# Altium PCB PCB.PcbDoc
Units mm, origin at the board's own origin, x right, y up, seen from the top; angles counter-clockwise.
Board outline 62.3 x 80.4 mm, 2 copper layers (Top Layer, Bottom Layer); 65 components, 46 nets, 221 pads, 97 vias.
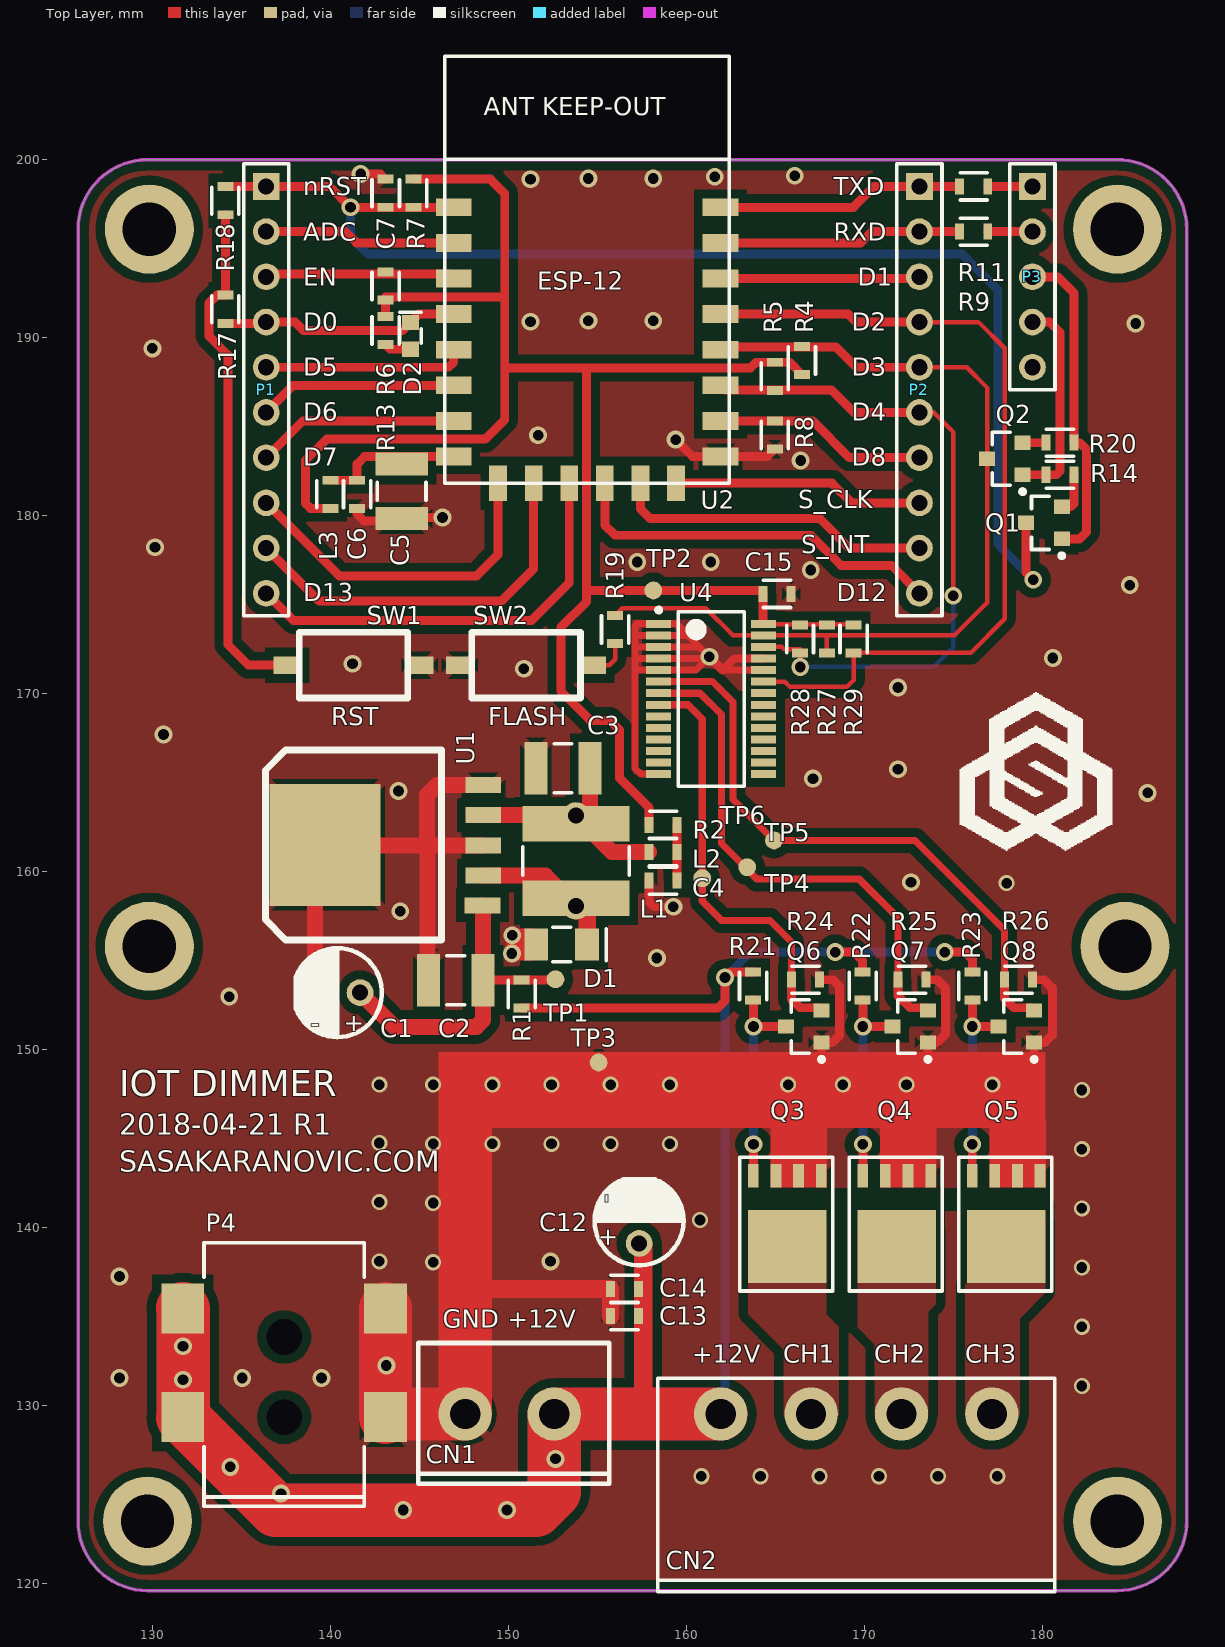
[diagram p0: Top Layer view]
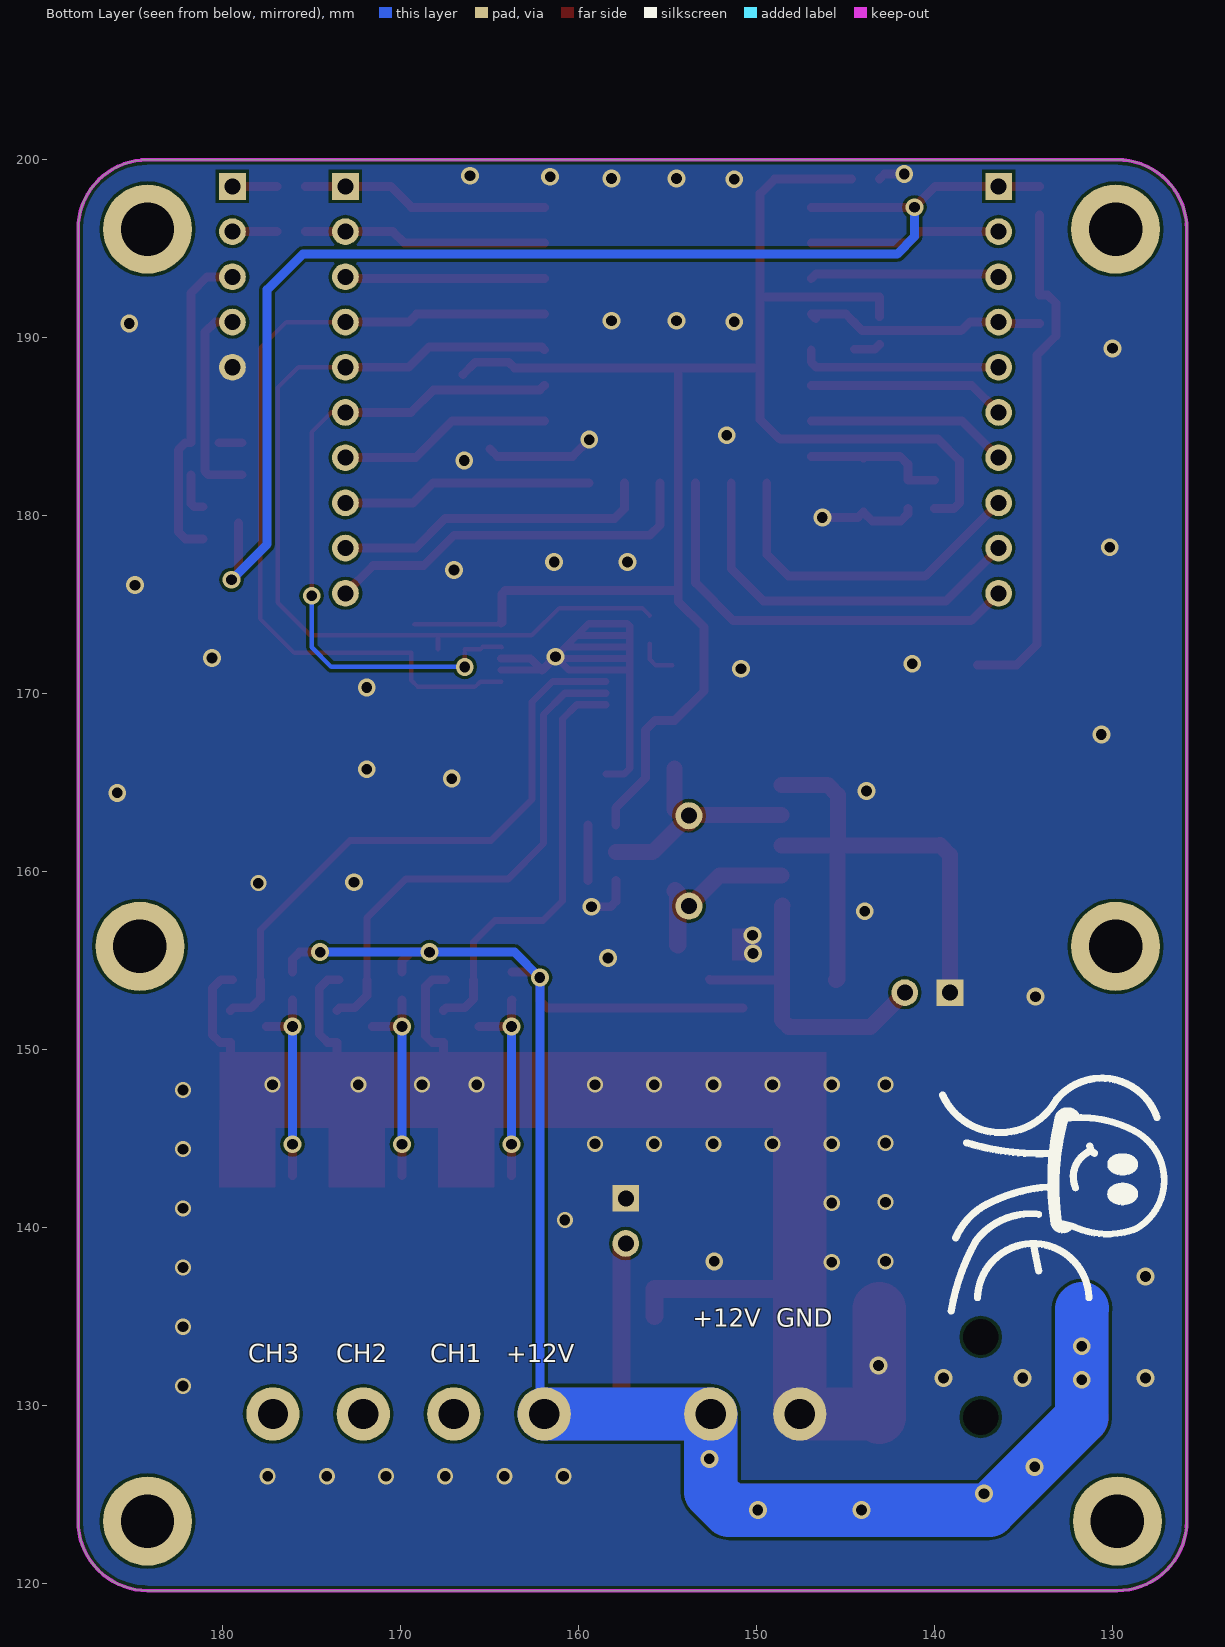
[diagram p1: Bottom Layer view, seen from below]
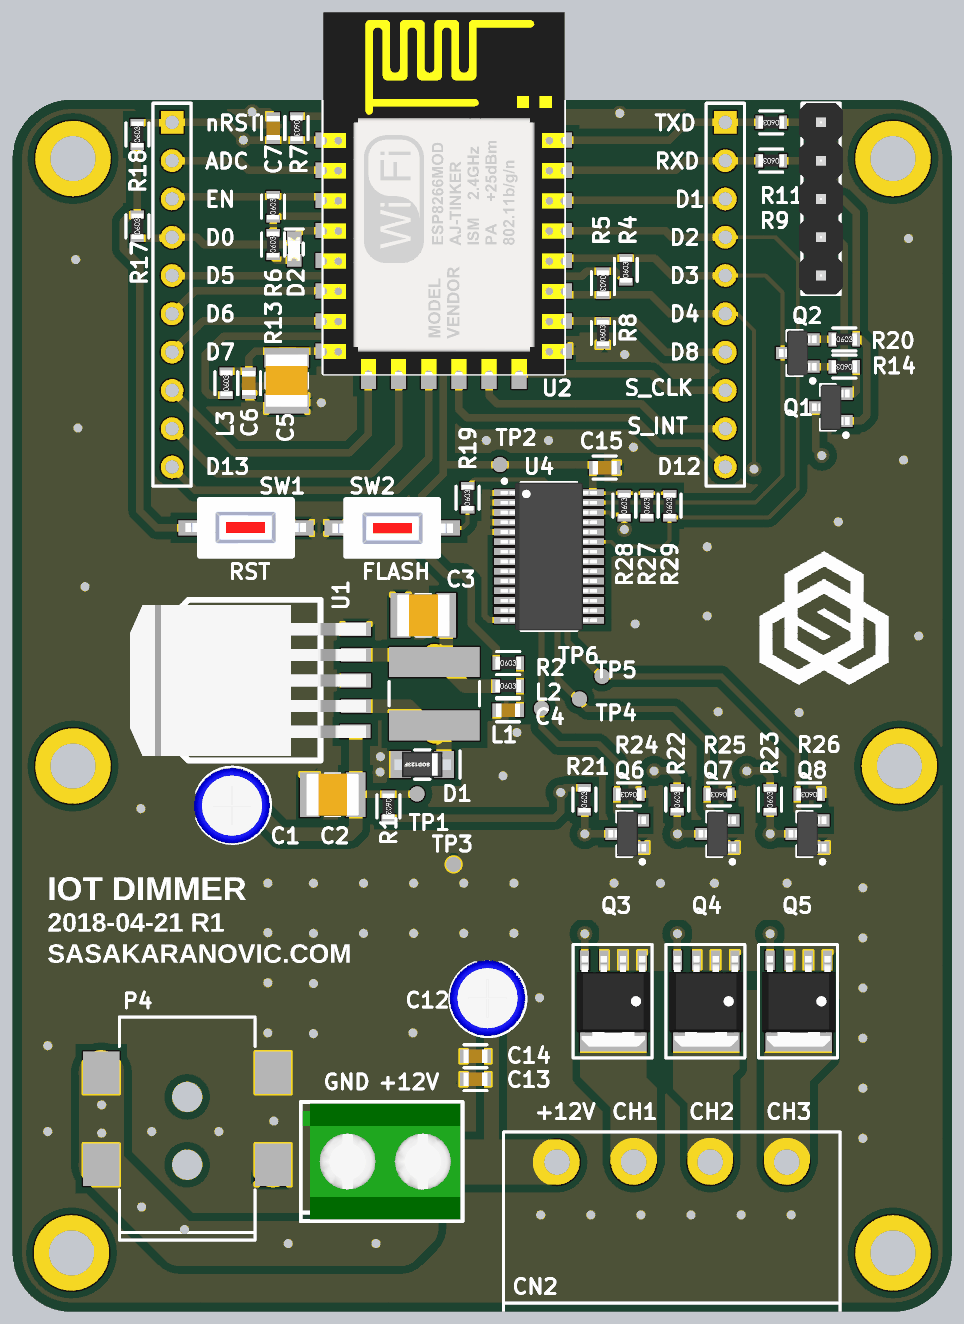
[diagram p2: 3D render of the assembled board from above, using the file's embedded part models]

## Layer stack, top to bottom
Top Solder: solder mask 0.0102, Solder Resist, Dk 3.5
Top Layer: signal copper 0.0356
Dielectric 1: dielectric 0.32, FR-4, Dk 4.8
Bottom Layer: signal copper 0.0356
Bottom Solder: solder mask 0.0102, Solder Resist, Dk 3.5

## Board outline
125.825,123.501 125.825,196.1 cw(c129.726,196.1) 129.726,200.001 129.726,200 184.224,200 cw(c184.224,196.099) 188.125,196.099 188.125,123.501 cw(c184.224,123.501) 184.224,119.6 129.726,119.6 cw(c129.726,123.501)

## Design rules (kind name [scope] priority, off if disabled: settings)
AssemblyTestPointUsage [All] p1 off:
AssemblyTestpoint [All] p1 off: testpointundercomponent=TRUE minsize=1.016 maxsize=2.54 preferedsize=1.524 minholesize=0 maxholesize=1.016 preferedholesize=0.813 testpointgrid=0.025 usegrid=TRUE gridtolerance=0 allowsidetop=TRUE allowsidebottom=TRUE
Clearance Clearance_1 [InNamedPolygon('TOP_GND')] p1: gap=0.508 ignorepadtopadclearanceinfootprint=FALSE
Clearance [All] p2: gap=0.178 ignorepadtopadclearanceinfootprint=FALSE
ComponentClearance [All] p1 off: gap=0.254 collisioncheckmode=3 verticalgap=0.254 showdistances=FALSE
FabricationTestPointUsage [All] p1 off: valid=0 allowmultiple=FALSE
FabricationTestpoint [All] p1 off: side=3 testpointundercomponent=TRUE minsize=1.016 maxsize=2.54 preferedsize=1.524 minholesize=0 maxholesize=1.016 preferedholesize=0.813 testpointgrid=0.025 allowsidetop=TRUE allowsidebottom=TRUE usegrid=TRUE gridtolerance=0
FanoutControl Fanout_BGA [IsBGA] p1 off: bgadir=Out bgaviamode=Centered fanoutstyle=Auto fanoutdirection=Alternating viagrid=0.025 // Fanout_BGA (Default Rule)
FanoutControl Fanout_LCC [IsLCC] p2 off: bgadir=Out bgaviamode=Centered fanoutstyle=Auto fanoutdirection=Alternating viagrid=0.025 // Fanout_LCC (Default Rule)
FanoutControl Fanout_SOIC [IsSOIC] p3 off: bgadir=Out bgaviamode=Centered fanoutstyle=Auto fanoutdirection=Alternating viagrid=0.025 // Fanout_SOIC (Default Rule)
FanoutControl Fanout_Small [(CompPinCount < 5)] p4 off: bgadir=Out bgaviamode=Centered fanoutstyle=Auto fanoutdirection=OutThenIn viagrid=0.025 // Fanout_Small (Default Rule)
FanoutControl Fanout_Default [All] p5 off: bgadir=Out bgaviamode=Centered fanoutstyle=Auto fanoutdirection=Alternating viagrid=0.025 // Fanout_Default (Default Rule)
Height [All] p1 off: minheight=0 maxheight=25.4 prefheight=12.7
HoleSize [All] p1: absolutevalues=TRUE maxlimit=6.3 minlimit=0.3 maxpercent=80.000 minpercent=20.000
MinimumSolderMaskSliver [All] p1 off: minsoldermaskwidth=0.254
NetAntennae [All] p1 off: netantennaetolerance=0
PasteMaskExpansion [All] p1 off: expansion=0
PlaneConnect [All] p1: planeconnectstyle=Direct reliefexpansion=0.508 reliefentries=4 reliefconductorwidth=0.254 reliefairgap=0.254
PolygonConnect PolygonConnect_2 [All vs IsNamedPolygon('BOT_GND')] p1: connectstyle=Direct reliefconductorwidth=0.254 reliefentries=4 polygonreliefangle="90 Angle" airgapwidth=0.254
PolygonConnect PolygonConnect_1 [All vs IsNamedPolygon('LED_CH1') Or  IsNamedPolygon('LED_CH3') Or  IsNamedPolygon('DIM_GND') Or  IsNamedPolygon('LED_CH2')] p2: thpad.connectstyle=Direct thpad.reliefconductorwidth=0.254 thpad.reliefentries=4 thpad.polygonreliefangle="90 Angle" thpad.airgapwidth=0.254 smdpad.connectstyle=Direct smdpad.reliefconductorwidth=0.254 smdpad.reliefentries=4 smdpad.polygonreliefangle="90 Angle" smdpad.airgapwidth=0.254 via.connectstyle=Relief via.reliefconductorwidth=0.254 via.reliefentries=4 via.polygonreliefangle="90 Angle" via.airgapwidth=0.254
PolygonConnect [All] p3: thpad.connectstyle=Relief thpad.reliefconductorwidth=0.508 thpad.reliefentries=4 thpad.polygonreliefangle="45 Angle" thpad.airgapwidth=0.254 smdpad.connectstyle=Relief smdpad.reliefconductorwidth=0.508 smdpad.reliefentries=4 smdpad.polygonreliefangle="45 Angle" smdpad.airgapwidth=0.254 via.connectstyle=Direct via.reliefconductorwidth=0.508 via.reliefentries=4 via.polygonreliefangle="45 Angle" via.airgapwidth=0.254
RoutingVias [All] p1: holewidth=0.4 width=0.6 viastyle="Through Hole" minholewidth=0.4 minwidth=0.6 maxholewidth=10 maxwidth=10
SilkToSilkClearance [All] p1 off: silktosilkclearance=0.254
SilkToSolderMaskClearance [IsPad] p1 off: minsilkscreentomaskgap=0.254 clearancetoexposedcopper=TRUE
SolderMaskExpansion [All] p1 off: expansion=0.102
Width [All] p1: maxlimit=50 minlimit=0.2 preferedwidth=0.508 minimp=50.000000 maximp=50.000000 favimp=50.000000
12 further rules are at their usual default settings.

## Classes and differential pairs
polygon class DIRECT_CONN: DIM_GND

## Components (designator, comment, footprint, x,y, rotation, side; value= is the part's Value field where it differs from the comment)
C1 "25V" "Electrolytic Cap 2.54mm" 140.4,153.2 r180 top value=100uF
C2 "Cap" CAPC_1411_3528_X08N 153.15,148 r0 top value=47uF
C3 "Cap" CAPC_1411_3528_X08N 159.175,159.9 r0 top value=47uF
C4 "Cap" "0603 - CAP" 158.69,159.5 r0 top value=100n
C5 "Cap" CAPC_1411_3528_X08N 149.9,187.475 r90 top value=100uF
C6 "Cap" "0603 - CAP" 141.5,181.2 r90 top value=100n
C7 "Cap" "0603 - CAP" 143.1,198.12 r270 top value=100n
C12 "25V" "Electrolytic Cap 2.54mm" 157.35,140.375 r90 top value=220uF
C13 "50V" "0603 - CAP" 156.525,135.025 r0 top value=100n
C14 "50V" "0603 - CAP" 156.525,136.55 r0 top value=100n
C15 "Cap" "0603 - CAP" 165.1,175.6 r180 top value=100n
CN1 "Terminal 2 - 5mm" "Terminal 2" 152.575,129.525 r180 top
CN2 "Terminal 4" "Terminal 4_90DEG" 169.555,129.525 r0 top
D1 "SS13" SOD123F 153,155.9 r0 top
D2 "LED" "0603 Diode" 144.5,190.1 r90 top
L1 "Inductor" IND_TH_SMD 153.8,160.6 r90 top value=68u
L2 "Inductor" 0603 158.69,161.1 r0 top value=220R@100MHz
L3 "Inductor" 0603 140,181.2 r90 top value=1K@100MHz
P1 "Header 10" HDR1X10 136.398,198.501 r270 top
P2 "Header 10" HDR1X10 173.101,198.501 r270 top
P3 "Header 5" "Header 5x1" 179.451,198.501 r270 top
P4 "PJ-002BH-SMT-TR" PJ-002BH-SMT-TR 137.4,124.35 r90 top
Q1 "DMN62D0U-13" SOT90P240X100-3N 180.1,179.6 r180 top
Q2 "DMN62D0U-13" SOT90P240X100-3N 177.9,183.2 r180 top
Q3 "PSMN9R1-30YL" LFPAK-8 165.624,140.855 r270 top
Q4 "PSMN9R1-30YL" LFPAK-8 171.774,140.855 r270 top
Q5 "PSMN9R1-30YL" LFPAK-8 177.924,140.855 r270 top
Q6 "DMN62D0U-13" SOT90P240X100-3N 166.6,151.3 r180 top
Q7 "DMN62D0U-13" SOT90P240X100-3N 172.575,151.3 r180 top
Q8 "DMN62D0U-13" SOT90P240X100-3N 178.55,151.3 r180 top
R1 "Res" 0603 150.75,153.125 r270 top value=0R
R2 "Res" 0603 158.7,162.625 r0 top value=0R
R4 "Res" 0603 166.497,188.722 r90 top value=12K
R5 "Res" 0603 164.973,187.833 r270 top value=12K
R6 "Res" 0603 143.1,192.913 r90 top value=12K
R7 "Res" 0603 144.661,198.12 r270 top value=12K
R8 "Res" 0603 164.973,184.531 r90 top value=12K
R9 "Res" 0603 176.149,195.961 r180 top value=470R
R11 "Res" 0603 176.149,198.501 r180 top value=470R
R13 "Res" 0603 143.1,190.4 r90 top value=470R
R14 "Res" 0603 181,182.3 r180 top value=12K
R17 "Res" 0603 134.1,191.6 r90 top value=0R
R18 "Res" 0603 134.1,197.7 r90 top value=470R
R19 "Res" 0603 156,173.6 r90 top value=470R
R20 "Res" 0603 181,184.1 r0 top value=12K
R21 "Res" 0603 163.75,153.575 r90 top value=12K
R22 "Res" 0603 169.912,153.575 r90 top value=12K
R23 "Res" 0603 176.075,153.575 r90 top value=12K
R24 "Res" 0603 166.7,153.925 r180 top value=100K
R25 "Res" 0603 172.682,153.925 r180 top value=100K
R26 "Res" 0603 178.665,153.925 r180 top value=100K
R27 "Res" 0603 167.9,173.075 r90 top value=4.7K
R28 "Res" 0603 166.4,173.075 r90 top value=4.7K
R29 "Res" 0603 169.4,173.075 r90 top value=4.7K
SW1 "Switch" "SMD Switch 2pin" 141.3,171.6 r180 top
SW2 "Switch" "SMD Switch 2pin" 151,171.6 r0 top
TP1 "Test Point 0.6mm" TP_SMD_1mm 152.65,153.95 r90 top
TP2 "Test Point 0.6mm" TP_SMD_1mm 158.15,175.8 r90 top
TP3 "Test Point 0.6mm" TP_SMD_1mm 155.075,149.275 r90 top
TP4 "Test Point 0.6mm" TP_SMD_1mm 160.9,159.625 r90 top
TP5 "Test Point 0.6mm" TP_SMD_1mm 163.425,160.25 r90 top
TP6 "Test Point 0.6mm" TP_SMD_1mm 164.925,161.75 r90 top
U1 "LM2576-3.3" TO263-5 141.3,161.5 r90 top
U2 "ESP12" ESP-12 154.425,193.826 r0 top
U4 "PCA9685PW" TSOP65P640X100-28N 161.4,169.7 r0 top

## Footprints (in the part's own frame and the unit in brackets; to place one, negate y for a bottom-side part, rotate by r counter-clockwise, add the part's x,y. Pads: shape width x height; smd on the part's side, far side on the other; paste and mask are expansions set on the pad)
0603 [mm]
  rect 0.5x0.9 smd: 1(-0.79,0) 2(0.79,0)
  silkscreen extent -0.76,-0.76 0.76,0.76, body extent -0.85,-0.4 0.85,0.4, height 0.56
"0603 - CAP" [mm]
  rect 0.5x0.9 smd: 1(-0.79,0) 2(0.79,0)
  silkscreen extent -0.76,-0.76 0.76,0.76, body extent -0.8,-0.44 0.8,0.46, height 0.8
"0603 Diode" [mm] "0603 Package for Diode"
  rect 0.85x0.95 smd: A(-0.75,0) K(0.75,0)
  silkscreen extent -0.4,-0.6 1.32,0.6, body extent -0.8,-0.4 0.8,0.4, height 0.7
CAPC_1411_3528_X08N [mm] "Chip Capacitor, 2-Leads, Body 3.50x2.80mm, IPC Medium Density"
  rect 1.3x2.95 smd: 1(-7.625,5.9) 2(-4.575,5.9)
  silkscreen extent -6.6,4.53 -5.6,7.28, body extent -7.85,4.5 -4.35,7.3, height 0.8
"Electrolytic Cap 2.54mm" [mm] "Elektrolitski kondenzator, razmak 2.54mm"
  round 1.5 hole 0.9: 1(-1.27,0)
  rect 1.5x1.5 hole 0.9: 2(1.27,0)
  silkscreen extent -2.5,-2.5 2.33,2.5, body extent -2.5,-2.5 2.55,2.55, height 3.07
ESP-12 [mm] "ESP-12"
  rect 2x1 smd: 1(-7.5,3.5) 2(-7.5,1.5) 3(-7.5,-0.5) 4(-7.5,-2.5) 5(-7.5,-4.5) 6(-7.5,-6.5) 7(-7.5,-8.5) 8(-7.5,-10.5) 15(7.5,-10.5) 16(7.5,-8.5) 17(7.5,-6.5) 18(7.5,-4.5) 19(7.5,-2.5) 20(7.5,-0.5) 21(7.5,1.5) 22(7.5,3.5)
  rect 1x2 smd: 9(-5,-12) 10(-3,-12) 11(-1,-12) 12(1,-12) 13(3,-12) 14(5,-12)
  silkscreen extent -8,-12 8,12, body extent -8,-12.04 8.01,11.97, height 2.65
HDR1X10 [mm] "Connector; Header; 10 Position"
  rect 1.5x1.5 hole 0.9: 1(0,0)
  round 1.5 hole 0.9: 2(2.54,0) 3(5.08,0) 4(7.62,0) 5(10.16,0) 6(12.7,0) 7(15.24,0) 8(17.78,0) 9(20.32,0) 10(22.86,0)
  silkscreen extent -1.27,-1.27 24.13,1.27
"Header 5x1" [mm] "Connector; Header; 5 Position"
  rect 1.5x1.5 hole 0.9: 1(0,0)
  round 1.5 hole 0.9: 2(2.54,0) 3(5.08,0) 4(7.62,0) 5(10.16,0)
  silkscreen extent -1.27,-1.27 11.43,1.27, body extent -1.27,-1.46 11.43,1.46, height 8.51
IND_TH_SMD [mm]
  round 1.524 hole 0.9: 1(-2.54,0) 2(2.54,0)
  rect 2x6 smd: 1(-2.1,0) 2(2.1,0)
  silkscreen extent -0.8,-3 0.8,3
LFPAK-8 [mm] "LFPAK Power Pack"
  rect 4.1x4.41 smd: D(1.93,0.051)
  rect 1.3x0.6 smd: G(-2.057,-1.854) S(-2.057,1.956) S(-2.057,-0.584) S(-2.057,0.686)
  silkscreen extent -3.1,-2.62 4.42,2.62, body extent -2.34,-2.4 3.66,2.5, height 1.1
PJ-002BH-SMT-TR [mm] "CONN PWR JACK 2.5X5.5MM SOLDER"
  rect 2.8x2.4 smd: 1(5,5.7) 1A(11.1,5.7) 2(5,-5.7) 3(11.1,-5.7)
  round 0 hole 2: ""(5,0) ""(9.5,0)
  silkscreen extent 0,-4.5 14.8,4.5
"SMD Switch 2pin" [mm] "SMD 2 pin switch"
  rect 1.524x1 smd: 1(-3.725,0) 2(3.725,0)
  silkscreen extent -3.05,-1.85 3.05,1.85, body extent -3.97,-1.82 4.03,1.78, height 2.4
SOD123F [mm]
  rect 1.34x1.8 smd: A(-1.43,0) K(1.43,0)
  silkscreen extent -0.51,-0.97 2.5,0.97, body extent -1.85,-0.85 1.9,0.85, height 1.2
SOT90P240X100-3N [mm] "SOT23, 3-Leads, Body 2.90x2.40mm, Pitch 0.90mm, IPC Medium Density"
  rect 0.9x0.8 smd: 1(-1,0.9) 2(-1,-0.9) 3(1,0)
  silkscreen extent -1.13,-1.5 0.7,1.97, body extent -1.25,-1.5 1.25,1.5, height 1
"Terminal 2" [mm] "2 pin, 5mm spacing Terminal"
  round 3 hole 1.7: 1(0,0) 2(5,0)
  silkscreen extent -3.1,-3.99 7.65,3.91, body extent -2.96,-3.89 7.54,3.81, height 10
"Terminal 4_90DEG" [mm]
  round 3 hole 1.7: 1(-7.62,0) 2(-2.54,0) 3(2.54,0) 4(7.62,0)
  silkscreen extent -11.16,-10 11.16,2
TO263-5 [mm] "TO263-5 SMT package"
  rect 0.9x2 smd: 1(-3.4,-7.25) 2(-1.725,-7.3) 3(-0.025,-7.3) 4(1.675,-7.3) 5(3.375,-7.3)
  rect 6.86x6.22 smd: 3(0,1.6)
  silkscreen extent -5.34,-4.95 5.34,4.95, body extent -5.02,-7.96 4.98,7.71, height 4.78
TP_SMD_1mm [mm]
  round 1 smd: 1(0,0)
TSOP65P640X100-28N [mm] "TSOP, 28-Leads, Body 9.70x4.40mm, Pitch 0.65mm, IPC Medium Density"
  rect 1.4x0.45 smd: 1(-2.95,4.225) 2(-2.95,3.575) 3(-2.95,2.925) 4(-2.95,2.275) 5(-2.95,1.625) 6(-2.95,0.975) 7(-2.95,0.325) 8(-2.95,-0.325) 9(-2.95,-0.975) 10(-2.95,-1.625) 11(-2.95,-2.275) 12(-2.95,-2.925) 13(-2.95,-3.575) 14(-2.95,-4.225) 15(2.95,-4.225) 16(2.95,-3.575) 17(2.95,-2.925) 18(2.95,-2.275) 19(2.95,-1.625) 20(2.95,-0.975) 21(2.95,-0.325) 22(2.95,0.325) 23(2.95,0.975) 24(2.95,1.625) 25(2.95,2.275) 26(2.95,2.925) 27(2.95,3.575) 28(2.95,4.225)
  silkscreen extent -3.07,-4.9 1.85,5.12, body extent -3.2,-4.9 3.2,4.9, height 1

## Part data
C1: library part "Cap Electrolytic", "Polarized Capacitor (Axial)", Distributor=DigiKey
C2 C3: "CAP TANT POLY47UF 20% 16V 1210", Distributor Part Number=478-9595-1-ND, Manufacturer="AVX Corporation", Manufacturer Part Number=TCNT476M016R0200A, Distributor=DigiKey
C4 C6 C7 C15: "Capacitor", Distributor Part Number=478-5052-1-ND, Manufacturer="AVX Corporation", Manufacturer Part Number=06035C104KAT2A, Distributor=DigiKey
C5: "Capacitor", Distributor Part Number=478-3877-1-ND, Manufacturer="AVX Corporation", Manufacturer Part Number=TAJB107M006RNJ, Distributor=DigiKey
C12: library part "Cap Electrolytic", "Polarized Capacitor (Axial)", Distributor Part Number=311-470LDCT-ND, Manufacturer=Yageo, Manufacturer Part Number=AC0603FR-07470RL, Distributor=DigiKey
C13 C14: library part Cap, "Capacitor", Distributor Part Number=478-5052-1-ND, Manufacturer="AVX Corporation", Manufacturer Part Number=06035C104KAT2A, Distributor=DigiKey
CN1: library part "Terminal 2", "Terminal 2 pins with 5mm spacing", Distributor=DigiKey
CN2: "Header, 4-Pin"
D1: library part "Diode Schotky", "DIODE SCHOTTKY 30V 1A SMA", Distributor Part Number=SS13FSCT-ND, Manufacturer="ON Semiconductor", Distributor=DigiKey, Manufacturer Part Number=SS13
D2: "Typical RED GaAs LED"
L1: "FIXED IND 68UH 1A 289 MOHM SMD", Distributor Part Number=240-2747-1-ND, Manufacturer="Laird-Signal Integrity Products", Manufacturer Part Number=TYS6045680M-10, Distributor=DigiKey
L2: "FERRITE BEAD 220 OHM 0603 1LN", Distributor Part Number=490-5255-1-ND, Manufacturer="Murata Electronics North America", Manufacturer Part Number=BLM18KG221SN1D, Distributor=DigiKey
L3: "FERRITE BEAD 1 KOHM 0603 1LN", Distributor Part Number=445-8694-1-ND, Manufacturer="TDK Corporation", Manufacturer Part Number=MPZ1608S102ATA00, Distributor=DigiKey
P1 P2: "Header, 10-Pin"
P3: "Header, 5-Pin"
P4: library part "DC Jack 2.5mm - Male", "CONN PWR JACK 2.5X5.5MM SOLDER", Distributor Part Number=CP-002BHPJCT-ND, Manufacturer="CUI Inc.", Distributor=DigiKey, Manufacturer Part Number=PJ-002BH-SMT-TR
Q1 Q2 Q6 Q7 Q8: "MOSFET N-CH 60V 0.38A", Distributor Part Number=DMN62D0U-13DICT-ND, Manufacturer="Diodes Incorporated", Distributor=DigiKey, Manufacturer Part Number=DMN62D0U-13
Q3 Q4 Q5: "MOSFET N-CH 30V 37A LFPAK", Distributor Part Number=1727-6495-1-ND, Manufacturer="Nexperia USA Inc.", Manufacturer Part Number=PSMN011-30YLC,115, Distributor=DigiKey
R1 R2 R17: "Resistor", Distributor Part Number=311-0.0GRCT-ND, Manufacturer=Yageo, Manufacturer Part Number=RC0603JR-070RL, Distributor=DigiKey
R4 R5 R6 R7 R8 R14 R20 R21 R22 R23: "Resistor", Distributor Part Number=311-12KDCT-ND, Manufacturer=Yageo, Manufacturer Part Number=RT0603DRD0712KL, Distributor=DigiKey
R9 R11 R13 R18 R19: "Resistor", Distributor Part Number=311-470LDCT-ND, Manufacturer=Yageo, Manufacturer Part Number=AC0603FR-07470RL, Distributor=DigiKey
R24 R25 R26: "Resistor", Distributor Part Number=YAG1235CT-ND, Manufacturer=Yageo, Manufacturer Part Number=RT0603BRD07100KL, Distributor=DigiKey
R27 R28 R29: "Resistor", Distributor=DigiKey
TP1 TP2 TP3 TP4 TP5 TP6: library part TP
U1: library part LM2576-xx, "Switching mode regulator [ 3v3, 5v, 12v and ADJ ]", Distributor=DigiKey
U2: "ESP8266 SMT Module - ESP-12S", Distributor=DigiKey
U4: library part PCA9685, "IC LED DRIVER RGBA 28-TSSOP", Distributor Part Number=568-11925-1-ND, Manufacturer="NXP USA Inc.", Manufacturer Part Number=PCA9685PW,118, Distributor=DigiKey
SW1 SW2: Distributor=DigiKey

## Free pads (board coordinates)
  round 5 hole 3: ""(129.726,123.501) ""(129.825,155.8) ""(129.825,196.1) ""(184.224,123.501) ""(184.224,196.099) ""(184.65,155.8)

## Via types
v1: diameter 1, hole 0.6, Top Layer to Bottom Layer, tented both sides, 63 vias
v2: diameter 0.9, hole 0.6, Top Layer to Bottom Layer, tented both sides, 34 vias

## Nets (pads, with @x,y where several pads share a name; then routed paths per layer and width w, separated by ;. In a path a pad name is that pad's centre, name@x,y a point inside that pad or via, vN(x,y) a via of type N, cw(c..) or ccw(c..) an arc to the next point about the centre after c; other vN are vias at no path point)
3V3: C15.2 L3.1 R2.1 R4.1 R5.1 R6.1 R7.1 R13.2 R27.2 R28.2 R29.2 TP2.1 U4.28 | length 104.7
  Top Layer w0.254: U4.28 164.375,173.9 R29.2@169.235,173.9
  Top Layer w0.5: L3.1 138.89,180.41 138.6,180.7 138.6,183.1 139.8,184.3 148.7,184.3 149.8,185.4 149.8,188.3 ; R13.2 R6.1 143.1,192.279 149.779,192.279 149.8,192.3 ; R7.1 148.99,198.91 149.8,198.1 149.8,192.3 ; R2.1 157.91,163.59 156.25,165.25 156.25,167.95 155.7,168.5 154.6,168.5 152.95,170.15 152.95,173.725 154.4,175.175 154.4,175.8 ; U4.28@164.35,173.953 164.31,173.993 C15.2 164.11,175.8 TP2.1 154.4,175.8 ; R4.1 165.806,188.623 R5.1 163.923,188.623 163.6,188.3 154.4,188.3 ; 149.8,188.3 149.8,192.3 ; 149.8,188.3 154.4,188.3 ; 154.4,175.8 154.4,188.3
12V: C12.1 C13.2 C14.2 CN1.1 CN2.1 P4.1 P4.1A R1.2 R21.2 R22.2 R23.2 | length 152.9
  Top Layer w0.3: 157.2,129.525 157.315,129.64 C13.2 C14.2 157.315,139.07 C12.1
  Top Layer w0.5: R1.2 161.76,152.335 162.175,152.75 v1(162.175,154.05) 162.49,154.365 R21.2 ; v1(168.375,155.475) 169.425,155.475 169.912,154.988 R22.2 ; v1(174.525,155.475) 175.675,155.475 176.075,155.075 R23.2
  Top Layer w1: C12.1@157.275,139.03 C12.1@157.315,139.07
  Top Layer w3: P4.1A 131.725,135.425 v1(131.725,133.325) v1(131.725,131.45) 131.725,129.375 P4.1 136.925,124.125 v1(144.1,124.125) v1(149.925,124.125) 151.55,124.125 152.575,125.15 CN1.1 157.2,129.525 CN2.1
  Bottom Layer w0.5: CN2.1@162.175,129.765 v1(162.175,154.05) 163.6,155.475 v1(168.375,155.475) v1(174.525,155.475)
  Bottom Layer w3: 131.7,135.45 131.725,135.425 v1(131.725,133.325) v1(131.725,131.45) 131.725,129.325 136.925,124.125 v1(144.1,124.125) v1(149.925,124.125) 151.55,124.125 152.575,125.15 CN1.1 CN2.1
  other v1: 137.225,125.05 134.375,126.55 152.65,127
ADC: P1.2 U2.2 | length 10.8
  Top Layer w0.5: P1.2 140.843,195.961 141.478,195.326 U2.2
DTR: P3.4 Q2.1 R14.2 | length 11.8
  Top Layer w0.5: Q2.1 R14.2 180.8,182.3 181,182.5 181,190.3 180.419,190.881 P3.4
EN: P1.3 R6.2 U2.3 | length 10.7
  Top Layer w0.5: P1.3 136.552,193.575 146.676,193.575 U2.3
GND: C1.2 C2.1 C3.1 C4.1 C5.1 C6.1 C7.1 C12.2 C13.1 C14.1 C15.1 CN1.2 D1.A P3.5 P4.2 P4.3 Q3.S Q4.S Q5.S Q6.1 Q7.1 Q8.1 R8.1 R24.1 R25.1 R26.1 SW1.1 SW2.1 TP3.1 U1.3 U1.5 U2.15 U4.1 U4.2 U4.3 U4.4 U4.5 U4.14 U4.24 U4.25 | length 139.7
  Top Layer w0.4: U4.14 157.45,165.475 157.125,165.8 157.125,171.325 ; 162.05,171.325 U4.24 ; 157.125,171.325 U4.5 160.55,171.325 v1@161.2,171.975 ; 157.125,171.325 157.125,171.975 ; 157.125,171.975 U4.4 v1@161.2,171.975 ; 157.125,171.975 157.125,172.625 ; 157.125,172.625 U4.3 160.75,172.625 ; 157.125,172.625 157.125,173.3 ; 157.125,173.3 157.15,173.275 U4.2 160.1,173.275 ; 157.125,173.3 157.125,173.8 157.25,173.925 U4.1 159.45,173.925 160.1,173.275 ; 160.1,173.275 160.75,172.625 ; 160.75,172.625 v1(161.3,172.075) v1@161.2,171.975
  Top Layer w0.45: 162.05,171.325 162.7,171.975 U4.25
  Top Layer w0.5: C6.1 141.5,180.1 141.9,179.7 143.5,179.7 144,180.2 144.3,179.9 v1(146.3,179.9) ; v1(141.7,199.2) 142.81,199.2 C7.1 ; C4.1 157.9,158.325 158.2,158.025 v1(159.275,158.025) ; v1(159.4,184.275) 160.349,183.326 U2.15 164.558,183.326 R8.1 ; v1(161.3,172.075) 162.05,171.325 ; R24.1 168.225,153.925 168.6,153.55 168.6,150.775 168.225,150.4 Q6.1 167.6,149.375 ; R25.1 174.1,153.925 174.575,153.45 174.575,150.875 174.1,150.4 Q7.1 173.575,149.325 ; R26.1 180.1,153.925 180.575,153.45 180.575,150.825 180.15,150.4 Q8.1 179.55,149.525
  Top Layer w0.9: C1.2 139.13,160.93 139.7,161.5 139.725,161.475 145.425,161.475 ; 145.45,161.45 145.45,153.975 C2.1 ; U1.3@148.6,161.475 145.425,161.475 ; U1.5 146,164.875 145.425,164.3 145.425,161.475
  Top Layer w1: 147.475,136.55 147.575,136.55 C14.1 C13.1
  Top Layer w3: P4.3 P4.2 143.275,129.525 CN1.2 147.575,136.55 147.575,147.625
  other v1: 128.15,131.55 135.05,131.55 139.5,131.55 143.15,132.25 128.15,137.25 152.375,138.1 134.325,152.975 158.35,155.15 150.2,155.4 150.225,156.425 143.925,157.775 172.625,159.4 185.925,164.425 143.825,164.525 167.125,165.225 171.9,165.75 130.625,167.7 171.9,170.35 150.875,171.4 141.25,171.675 180.6,172 184.925,176.1 167,176.95 157.25,177.4 161.375,177.4 130.15,178.225 166.425,183.1 151.675,184.525 130,189.4 185.25,190.8 151.25,190.9 154.5,190.95 158.15,190.95 151.25,198.9 154.5,198.95 158.15,198.95 161.6,199.05 166.1,199.1
  other v2: 160.85,126.025 164.175,126.025 167.5,126.025 170.825,126.025 174.15,126.025 177.475,126.025 182.225,131.1 182.225,134.425 182.225,137.75 145.775,138.05 142.75,138.1 160.775,140.425 182.225,141.075 145.775,141.375 142.75,141.425 182.225,144.4 145.775,144.7 149.1,144.7 152.425,144.7 155.75,144.7 159.075,144.7 142.75,144.75 182.225,147.725 142.75,148.025 145.775,148.025 149.1,148.025 152.425,148.025 155.75,148.025 159.075,148.025 165.725,148.025 168.8,148.025 172.375,148.025 177.2,148.025 178,159.35
GPIO0: P2.5 Q2.3 R4.2 R19.2 R27.1 U2.18 U4.27 | length 51.3
  Top Layer w0.254: R19.2 156.41,174.8 161.1,174.8 162.625,173.275 U4.27 167.9,173.275 ; R27.1@167.9,172.485 167.9,173.275 ; P2.5 175.759,188.341 176.9,187.2 Q2.3 176.9,175.1 175.075,173.275 167.9,173.275
  Top Layer w0.5: U2.18 162.083,189.484 168.402,189.484 169.545,188.341 P2.5
GPIO2: P2.6 R5.2 R28.1 U2.17 U4.26 | length 38.2
  Top Layer w0.254: U4.26@164.325,172.6 U4.26 165.375,172.625 165.515,172.485 R28.1@166.4,172.485 ; v1(166.4,171.5) R28.1 ; P2.6 173.899,185.801 175,184.7 v1(175,175.5)
  Top Layer w0.5: U2.17 162.18,187.071 168.148,187.071 169.418,185.801 P2.6
  Bottom Layer w0.254: v1(166.4,171.5) 173.9,171.5 175,172.6 v1(175,175.5)
GPIO4: P2.4 R29.1 U2.19 U4.23 | length 48.1
  Top Layer w0.254: U4.23@164.355,170.67 U4.23 165.525,170.675 165.825,170.375 169.025,170.375 169.4,170.75 R29.1 175.985,172.285 177.9,174.2 177.9,189.4 176.419,190.881 P2.4
  Top Layer w0.5: U2.19 169.1,191.326 169.545,190.881 P2.4
GPIO5: P2.3 U2.20 | length 11.2
  Top Layer w0.5: U2.20 173.006,193.326 P2.3
GPIO9: P1.10 U2.11 | length 24.1
  Top Layer w0.5: P1.10 137.939,174.1 151.3,174.1 153.425,176.225 U2.11
GPIO10: P2.10 U2.12 | length 21.6
  Top Layer w0.5: U2.12 155.425,179.474 155.999,178.9 167,178.9 168.7,177.2 171.542,177.2 P2.10
GPIO12: P1.6 U2.6 | length 11.2
  Top Layer w0.5: P1.6 137.923,187.326 U2.6
GPIO13: P1.7 U2.7 | length 11.4
  Top Layer w0.5: P1.7 138.463,185.326 U2.7
GPIO14: P1.5 U2.5 | length 11.3
  Top Layer w0.5: P1.5 146.641,188.341 146.925,188.625 U2.5
GPIO15: P2.7 R8.2 U2.16 | length 12
  Top Layer w0.5: U2.16 167.099,185.326 169.164,183.261 P2.7
GPIO16: D2.K P1.4 R17.1 U2.4 | length 14.1
  Top Layer w0.5: R17.1 136.327,190.81 P1.4 ; P1.4@136.592,191.075 P1.4 ; U2.4@146.674,191.075 U2.4 144.976,191.326 D2.K 144.05,190.4 138.5,190.4 138.019,190.881 P1.4
LED_CH1: CN2.2 Q3.D
LED_CH2: CN2.3 Q4.D
LED_CH3: CN2.4 Q5.D
NetC1_1: C1.1 C2.2 R1.1 TP1.1 U1.1 | length 18.4
  Top Layer w0.5: C2.2 148.59,153.915 R1.1 152.615,153.915 TP1.1
  Top Layer w0.9: C1.1 143.595,151.275 148.2,151.275 148.575,151.65 C2.2 148.575,158.075 U1.1
NetC3_2: C3.2 L1.2 L2.1 U1.4 | length 13.6
  Top Layer w0.9: U1.4 153.765,163.175 153.8,163.14 L1.2@154.02,162.92 ; L1.2@153.8,162.7 L1.2@154.02,162.92 ; C3.2 154.6,163.5 L1.2@154.02,162.92 ; L2.1 155.84,161.1 L1.2@154.02,162.92
NetC4_2: C4.2 L2.2 R2.2 | length 3.1
  Top Layer w0.5: C4.2 L2.2 R2.2@159.48,162.61
NetC5_2: C5.2 C6.2 L3.2 U2.8 | length 8.1
  Top Layer w0.5: L3.2 C6.2 141.5,182.9 141.926,183.326 C5.2@144.076,183.326 ; C5.2@144,183.25 C5.2@144.076,183.326 ; U2.8 C5.2@144.076,183.326
NetD1_K: D1.K L1.1 U1.2 | length 9
  Top Layer w0.9: U1.2 152.085,159.775 L1.1@153.8,158.06
  Top Layer w0.98: D1.K 154.43,158.78 L1.1@154.575,158.925
NetD2_A: D2.A R13.1 | length 1.5
  Top Layer w0.5: R13.1 143.36,189.35 D2.A
NetP3_1: P3.1 R11.1 | length 2.5
  Top Layer w0.5: R11.1 P3.1
NetP3_2: P3.2 R9.1 | length 2.5
  Top Layer w0.5: R9.1 P3.2
NetQ1_1: Q1.2 R14.1 | length 2.4
  Top Layer w0.5: Q1.2 181.6,180.5 181.79,180.69 R14.1
NetQ2_1: Q2.2 R20.1 | length 1.3
  Top Layer w0.5: Q2.2 R20.1
NetQ3_G: Q3.G Q6.3 R21.1 | length 11.7
  Top Layer w0.5: R21.1 163.775,152.76 v1(163.775,151.3) Q6.3 ; Q3.G 163.77,144.67 v1(163.775,144.675)
  Bottom Layer w0.5: v1(163.775,144.675) v1(163.775,151.3)
NetQ4_G: Q4.G Q7.3 R22.1 | length 11.5
  Top Layer w0.5: R22.1 169.925,152.773 v1(169.925,151.3) Q7.3 ; Q4.G 169.92,144.67 v1(169.925,144.675)
  Bottom Layer w0.5: v1(169.925,144.675) v1(169.925,151.3)
NetQ5_G: Q5.G Q8.3 R23.1 | length 11.3
  Top Layer w0.5: Q5.G 176.07,144.67 v1(176.075,144.675) ; R23.1 v1(176.075,151.3) Q8.3
  Bottom Layer w0.5: v1(176.075,144.675) v1(176.075,151.3)
NetR17_2: R17.2 R18.1 SW1.2 | length 29.1
  Top Layer w0.5: R18.1 R17.2 133.64,192.39 133.175,191.925 133.175,190.1 134.25,189.025 134.25,172.75 135.4,171.6 SW1.2
NetR19_1: R19.1 SW2.2 | length 2.3
  Top Layer w0.254: SW2.2 155.675,171.6 156,171.925 R19.1
nRST: C7.2 P1.1 Q1.3 R7.2 R18.2 U2.1 | length 73.1
  Top Layer w0.5: R18.2 136.387,198.49 P1.1 139.954,198.501 v1(141.129,197.326) U2.1 ; Q1.3 179.1,176.8 v1(179.5,176.4)
  Bottom Layer w0.5: v1(141.129,197.326) 141.129,195.671 142.1,194.7 175.5,194.7 177.5,192.7 177.5,178.4 v1(179.5,176.4)
PWM_CH1: Q8.2 R26.2 TP6.1 U4.6 | length 34.2
  Top Layer w0.4: U4.6 161.475,170.675 162.625,169.525 162.625,164.05 TP6.1 172.85,161.75 177.875,156.725 R26.2
  Top Layer w0.5: R26.2 177.875,152.875 178.4,152.35 179.4,152.35 Q8.2
PWM_CH2: Q7.2 R25.2 TP5.1 U4.7 | length 29.3
  Top Layer w0.4: U4.7 160.775,170.025 161.975,168.825 161.975,161.575 163.975,159.575 169.725,159.575 171.892,157.408 R25.2
  Top Layer w0.5: R25.2 171.892,153.033 172.575,152.35 173.425,152.35 Q7.2
PWM_CH3: Q6.2 R24.2 TP4.1 U4.8 | length 24.1
  Top Layer w0.4: U4.8 160.1,169.375 160.9,168.575 TP4.1 160.9,158.35 161.997,157.253 164.697,157.253 165.91,156.04 R24.2
  Top Layer w0.5: R24.2 165.91,152.84 166.4,152.35 167.45,152.35 Q6.2
RTS: P3.3 Q1.1 R20.2 | length 18.2
  Top Layer w0.5: P3.3 180.879,193.421 181.79,192.51 R20.2 182.1,184.1 182.493,183.707 182.493,179.093 182.1,178.7 Q1.1
RXD0: P2.2 R9.2 U2.21 | length 13.7
  Top Layer w0.5: U2.21 169.799,195.326 170.434,195.961 P2.2 R9.2
SPI_CLK: P2.8 U2.14 | length 14.1
  Top Layer w0.5: U2.14 168.186,181.826 169.291,180.721 P2.8
SPI_INT: P2.9 U2.13 | length 18
  Top Layer w0.5: U2.13 157.425,180.395 157.988,179.832 167.513,179.832 169.164,178.181 P2.9
SPI_MISO: P1.9 U2.10 | length 21.8
  Top Layer w0.5: P1.9 139.379,175.2 149.6,175.2 151.425,177.025 U2.10
SPI_MOSI: P1.8 U2.9 | length 19.2
  Top Layer w0.5: P1.8 140.519,176.6 148.2,176.6 149.425,177.825 U2.9
TXD0: P2.1 R11.2 U2.22 | length 13.9
  Top Layer w0.5: U2.22 169.386,197.326 170.561,198.501 P2.1 R11.2
pads on no net: P4. U4.9 U4.10 U4.11 U4.12 U4.13 U4.15 U4.16 U4.17 U4.18 U4.19 U4.20 U4.21 U4.22

## Polygon pours and split planes (outlines as drawn)
LED_CH1 on Top Layer "LED_CH1" (solid, pour order 2): 163.475,140.1 163.475,135.125 165.475,133.125 165.475,129.425 168.575,129.425 168.575,134.425 167.875,135.125 167.875,140.1
LED_CH2 on Top Layer "LED_CH2" (solid, pour order 3): 169.625,139.9 169.625,134.4 170.6,133.425 170.6,129.425 173.6,129.425 173.6,135.275 174.025,135.7 174.025,139.9
LED_CH3 on Top Layer "LED_CH3" (solid, pour order 4): 175.775,140.375 175.775,136.875 175.675,136.775 175.675,129.45 178.725,129.45 178.725,134.875 180.175,136.325 180.175,140.375
GND on Top Layer "DIM_GND" (solid, pour order 5): 140.325,129.425 143.325,129.425 143.325,133.4 155.7,145.775 155.7,149.875 141.975,149.875 140.325,148.225
GND on Top Layer "TOP_GND" (solid, remove dead copper, pour order 6): 125.825,123.501 125.825,196.1 cw(c129.726,196.1) 129.726,200.001 129.726,200 184.224,200 cw(c184.224,196.099) 188.125,196.099 188.125,123.501 cw(c184.224,123.501) 184.224,119.6 129.726,119.6 cw(c129.726,123.501)
GND on Top Layer "Top Layer-GND" (solid, pour order 12): 140.325,129.425 143.325,129.425 143.325,133.4 155.7,145.775 155.7,149.875 141.975,149.875 140.325,148.225
GND on Bottom Layer "BOT_GND" (solid, remove dead copper, pour order 7): 125.825,123.501 125.825,196.1 cw(c129.726,196.1) 129.726,200.001 129.726,200 184.224,200 cw(c184.224,196.099) 188.125,196.099 188.125,123.501 cw(c184.224,123.501) 184.224,119.6 129.726,119.6 cw(c129.726,123.501)

## Keep-outs
Keep-Out Layer:
  lines w0.2: 125.825,123.5 125.825,196.1 ; 125.825,123.501 ccw(c129.726,123.501) 129.726,119.6 184.224,119.6 ccw(c184.224,123.501) 188.125,123.501 ; 125.825,196.1 cw(c129.726,196.1) 129.726,200.001 ; 129.726,200 184.224,200 cw(c184.224,196.099) 188.125,196.099 188.125,123.499

## Other copper
Top Layer:
  region net GND: 180.175,149.875 146.075,149.875 146.075,145.6 180.175,145.6
  rectangle net GND: 177.025,142.25 180.2,146.075
  rectangle net GND: 170.875,142.25 174.05,146.075
  rectangle net GND: 164.725,142.25 167.9,146.075
  rectangle net GND: 149.9,155 151.375,156.8
  rectangle net 12V: 157.075,130.55 158.1,139.15
  pour cut-out: 162.962,142.19 162.962,140.95 180.525,140.95 180.6,141.025 180.6,142.21

## Silkscreen, mask and mechanical layers (free items; w line width, h text height)
Top Overlay:
  region: 305 vertices and 4 holes, not listed, extent 175.376,161.186 183.934,170.076
  text "nRST" at 138.479,197.993 h1
  text "TXD" at 168.291,197.993 h1
  text "ADC" at 138.479,195.46 h1
  text "RXD" at 168.291,195.46 h1
  text "EN" at 138.479,192.926 h1
  text "D1" at 169.624,192.926 h1
  text "D0" at 138.479,190.393 h1
  text "D2" at 169.291,190.393 h1
  text "D5" at 138.479,187.859 h1
  text "D3" at 169.291,187.859 h1
  text "D6" at 138.479,185.326 h1
  text "D4" at 169.291,185.326 h1
  text "D7" at 138.479,182.793 h1
  text "D8" at 169.291,182.793 h1
  text "S_CLK" at 166.292,180.426 h1
  text "S_INT" at 166.459,177.893 h1
  text "D13" at 138.479,175.193 h1
  text "D12" at 168.458,175.193 h1
  text "RST" at 140.05,168.225 h1
  text "FLASH" at 148.875,168.225 h1
  text "IOT DIMMER" at 128.125,146.9 h2.5
  text "2018-04-21 R1" at 128.125,144.823 h2
  text "SASAKARANOVIC.COM" at 128.125,142.752 h2
  text "GND" at 146.325,134.375 h1
  text "+12V" at 149.97,134.375 h1
  text "+12V" at 160.35,132.4 h1
  text "CH1" at 165.46,132.4 h1
  text "CH2" at 170.569,132.4 h1
  text "CH3" at 175.679,132.4 h1
Bottom Overlay:
  drawing of 7 lines, arcs and shapes, not listed
  text "GND" at 148.9,134.425 h1
  text "+12V" at 153.575,134.425 h1
  text "+12V" at 164.074,132.425 h1
  text "CH1" at 168.325,132.425 h1
  text "CH2" at 173.614,132.425 h1
  text "CH3" at 178.57,132.425 h1
Drill Drawing:
  drawing of 231 lines, arcs and shapes, not listed
  text "Layer" at 208.4,216.911 h1.52
  text "Name" at 218.812,216.911 h1.52
  text "Material" at 242.427,216.911 h1.52
  text "Thickness" at 264.265,216.911 h1.52
  text "Constant" at 280.771,216.911 h1.52
  text "Board Layer Stack" at 295.246,216.911 h1.52
  text "1" at 208.4,213.863 h1.52
  text "Top Overlay" at 218.812,213.863 h1.52
  text "2" at 208.4,210.815 h1.52
  text "Top Solder" at 218.812,210.815 h1.52
  text "Solder Resist" at 242.427,210.815 h1.52
  text "0.010mm" at 264.265,210.815 h1.52
  text "3.5" at 280.771,210.815 h1.52
  text "3" at 208.4,207.767 h1.52
  text "Top Layer" at 218.812,207.767 h1.52
  text "Copper" at 242.427,207.767 h1.52
  text "0.036mm" at 264.265,207.767 h1.52
  text "4" at 208.4,204.719 h1.52
  text "Dielectric 1" at 218.812,204.719 h1.52
  text "FR-4" at 242.427,204.719 h1.52
  text "0.320mm" at 264.265,204.719 h1.52
  text "4.8" at 280.771,204.719 h1.52
  text "5" at 208.4,201.671 h1.52
  text "Bottom Layer" at 218.812,201.671 h1.52
  text "Copper" at 242.427,201.671 h1.52
  text "0.036mm" at 264.265,201.671 h1.52
  text "6" at 208.4,198.623 h1.52
  text "Bottom Solder" at 218.812,198.623 h1.52
  text "Solder Resist" at 242.427,198.623 h1.52
  text "0.010mm" at 264.265,198.623 h1.52
  text "3.5" at 280.771,198.623 h1.52
  text "7" at 208.4,195.575 h1.52
  text "Bottom Overlay" at 218.812,195.575 h1.52
  text "Symbol" at 209.151,191.318 h1.83
  text "Count" at 222.001,191.318 h1.83
  text "Hole Size" at 236.983,191.318 h1.83
  text "Plated" at 265.422,191.318 h1.83
  text "Hole Type" at 278.272,191.318 h1.83
  text "Drill Layer Pair" at 296.91,191.318 h1.83
  text "Via/Pad" at 334.999,191.318 h1.83
  text "2" at 222.001,187.508 h1.52
  text "2.000mm (78.74mil)" at 236.983,187.508 h1.52
  text "PTH" at 265.422,187.508 h1.52
  text "Round" at 278.272,187.508 h1.52
  text "Top Layer - Bottom Layer" at 296.91,187.508 h1.52
  text "Pad" at 334.999,187.508 h1.52
  text "6" at 222.001,183.698 h1.52
  text "1.700mm (66.93mil)" at 236.983,183.698 h1.52
  text "PTH" at 265.422,183.698 h1.52
  text "Round" at 278.272,183.698 h1.52
  text "Top Layer - Bottom Layer" at 296.91,183.698 h1.52
  text "Pad" at 334.999,183.698 h1.52
  text "6" at 222.001,179.888 h1.52
  text "3.000mm (118.11mil)" at 236.983,179.888 h1.52
  text "PTH" at 265.422,179.888 h1.52
  text "Round" at 278.272,179.888 h1.52
  text "Top Layer - Bottom Layer" at 296.91,179.888 h1.52
  text "Pad" at 334.999,179.888 h1.52
  text "31" at 222.001,176.078 h1.52
  text "0.900mm (35.43mil)" at 236.983,176.078 h1.52
  text "PTH" at 265.422,176.078 h1.52
  text "Round" at 278.272,176.078 h1.52
  text "Top Layer - Bottom Layer" at 296.91,176.078 h1.52
  text "Pad" at 334.999,176.078 h1.52
  text "97" at 222.001,172.268 h1.52
  text "0.600mm (23.62mil)" at 236.983,172.268 h1.52
  text "PTH" at 265.422,172.268 h1.52
  text "Round" at 278.272,172.268 h1.52
  text "Top Layer - Bottom Layer" at 296.91,172.268 h1.52
  text "Via" at 334.999,172.268 h1.52
  text "142 Total" at 222.001,168.458 h1.52

## Dimensions
129.825,196.1 to 129.726,123.501 on Drill Drawing
129.726,200 to 129.726,119.6 on Drill Drawing
125.825,196.1 to 188.125,196.099 on Drill Drawing
129.825,196.1 to 184.224,196.099 on Drill Drawing

## Text inside footprints (layer, text, board x,y; h text height)
C1: Top Overlay "-" at 138.901,151.016 h1; Top Overlay "+" at 140.756,151.041 h1
C12: Top Overlay "-" at 155.166,141.874 h1 r270; Top Overlay "+" at 155.191,140.019 h1 r270
U2: Top Overlay "ESP-12" at 151.631,192.683 h1; Top Overlay "ANT KEEP-OUT" at 148.608,202.513 h1